# Altium PCB fmuvxX-baseT1.PcbDoc (part 4 of 5) (continued)
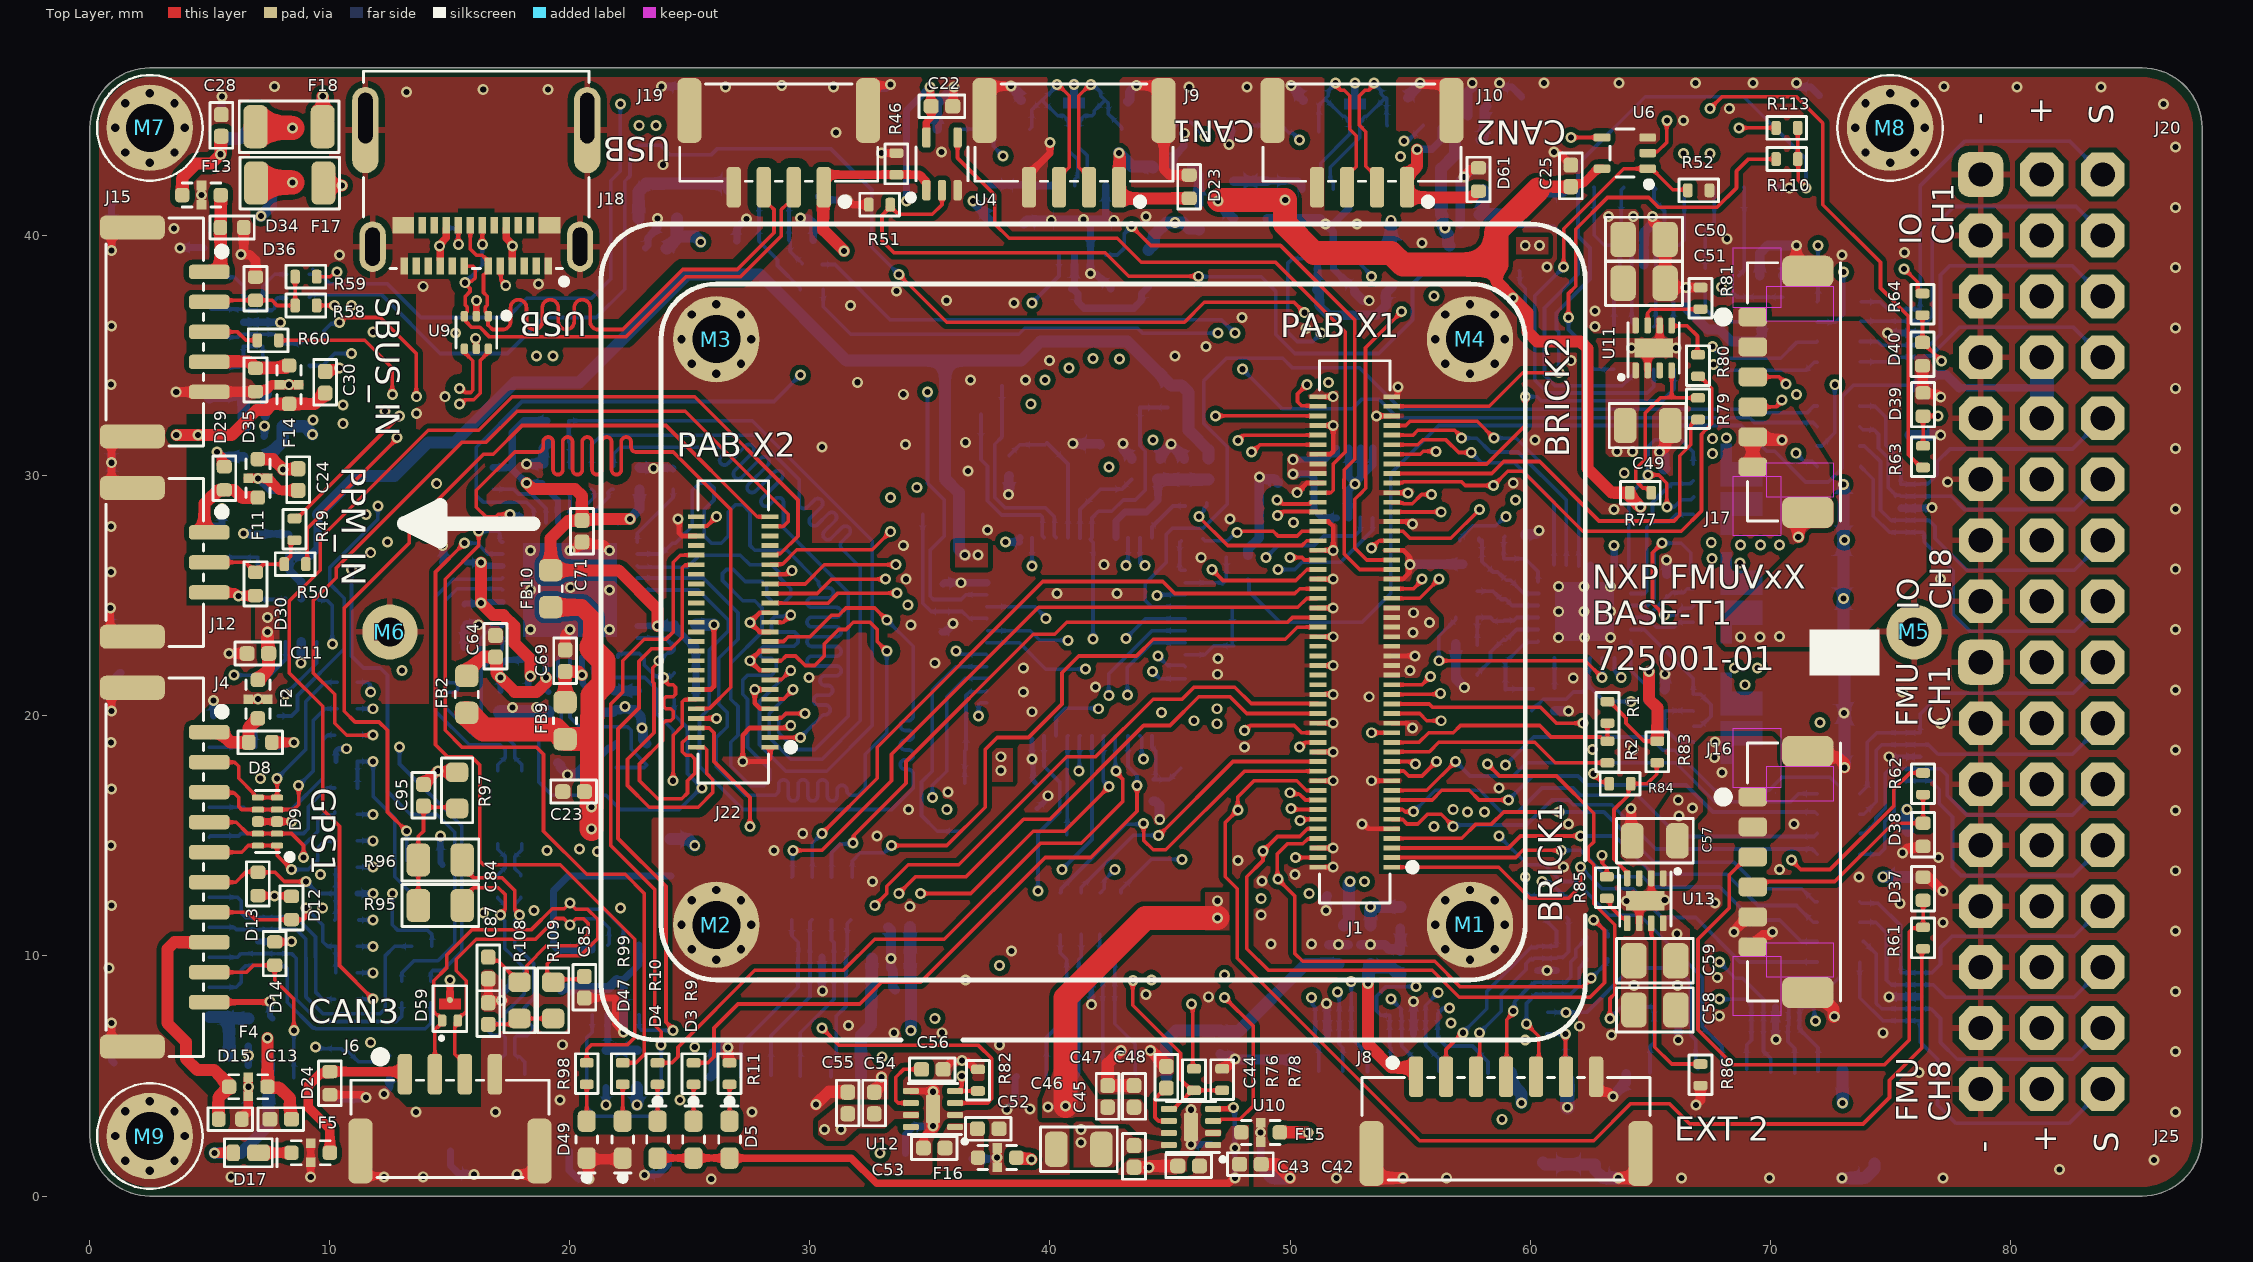
[diagram p0: Top Layer view]
## Nets (pads, with @x,y where several pads share a name; then routed paths per layer and width w, separated by ;. In a path a pad name is that pad's centre, name@x,y a point inside that pad or via, vN(x,y) a via of type N, cw(c..) or ccw(c..) an arc to the next point about the centre after c; other vN are vias at no path point) (continued)
IO_VDD_3V3_SPEKTRUM_EN: R76.2 R78.1 U1.2 U10.5 | length 28.6
  Top Layer w0.152: v1(43.45,8.975) 43.45,7.95 45.45,5.95 45.45,4.85 45.9,4.4 R76.2@46,4.4 R78.1@47.175,4.4 R78.1@47.2,4.425 ; U10.5@44.955,3.625 45.15,3.625 45.925,4.4 R76.2@45.975,4.4
  Signal Layer 4 w0.152: v1(39.25,26.25) 39.25,23 39.9,22.35 39.9,17.5 43.45,13.95 v1(43.45,8.975)
  Bottom Layer w0.152: U1.2@39.25,27.43 v1(39.25,26.25) ; v1(39.25,26.25) 39.25,26.2 39.275,26.225 v1(39.25,26.25)
IO_VDD_5V: C42.1 C43.1 D3.A D4.A D5.A F15.3 U10.1 U10.4 | length 28.4
  Top Layer w0.2: U10.4@46.795,3.625 46.806,3.636 47.637,3.636 v1(47.637,3.683)
  Top Layer w0.3: D4.A@23.67,1.58 D3.A@25.15,1.58 ; D3.A@25.152,1.578 25.155,1.58 D5.A@26.65,1.58 ; D5.A@26.675,1.575 31.725,1.575 32.769,0.531 47.446,0.531 47.67,0.755 v1@47.705,0.755
  Bottom Layer w0.2: v1(47.637,3.683) 47.7,3.683 v1(47.7,2) v1(47.7,0.75)
IO_VDD_SERVO_SENSE: R4.2 R7.1 U1.14 | length 3.1
  Bottom Layer w0.152: U1.14@45.63,25.55 47.228,25.55 47.35,25.672 R4.2@47.35,25.7 ; R4.2@47.35,25.725 47.35,26.15 ; R4.2@47.35,25.75 47.35,26.15 ; R7.1@47.35,26.55 R7.1@47.35,26.6 47.35,26.15
IO_VDDA: C1.1 C2.1 FB1.2 U1.9 | length 5.8
  Bottom Layer w0.3: U1.9@42.75,27.43 42.75,28.125 43.125,28.5 44.025,28.5 44.5,28.975 C2.1@44.5,29.85
  Bottom Layer w0.5: C2.1@44.5,29.85 C1.1@45.6,29.85 FB1.2@46.6,29.85
LT4417_HYS: R68.1 U8.24 | length 1.3
  Bottom Layer w0.152: U8.24@61.015,22.415 61.02,22.41 61.02,21.155 R68.1@61.025,21.15
MISO_EXT1: D26.4 D26.7 J11.3 R40.2 | length 10.8
  Bottom Layer w0.152: J11.3@4.975,9.95 6.15,9.95 6.3,10.1 D26.7@7,10.1 D26.4@7.7,10.1 ; D26.4@7.8,10.1 8.4,10.1 8.6,9.9 8.6,8.2 9.531,7.269 12.769,7.269 13,7.5 R40.2@13,8.05
MOSI_EXT1: D26.2 D26.9 J11.4 R41.2 | length 13.8
  Bottom Layer w0.152: J11.4@4.975,11.2 6,11.2 6.1,11.1 D26.9@7,11.1 D26.2@7.8,11.1 8.6,11.1 9,10.7 9,9.928 9.005,9.923 9.005,8.295 9.7,7.6 12.1,7.6 12.3,7.8 12.3,10 12.7,10.4 R41.2@13.35,10.4 R41.2@13.4,10.4
nARMED: J1.85 R47.2 R54.5 U6.2 | length 43.7
  Top Layer w0.152: J1.85@54.24,30.5 58.2,30.5 59.8,32.1 v1(59.8,33.3) ; U6.2@64.9,43.45 64.972,43.522 65.322,43.522 65.692,43.892 65.692,44.792 v1(65.7,44.8)
  Signal Layer 4 w0.152: v1(59.8,33.3) 56.4,33.3 55.1,34.6 55.1,36.65 55.104,36.654 55.104,37.404 60.2,42.5 60.9,42.5 63.2,44.8 v1(65.7,44.8)
  Bottom Layer w0.152: R47.2@59.55,38.55 59.575,38.525 59.575,38.025 59.8,37.8 v1(59.8,33.3) 60.3,33.3 60.475,33.125 65.5,33.125 66,33.625 66,34.43 R54.5@66.01,34.44
nARMED_AUX: D33.1 D33.10 J14.5 R54.4 | length 6.5
  Bottom Layer w0.152: R54.4@65.975,36.225 65.975,37.232 65.735,37.472 D33.1@65.735,38.809 D33.10@65.735,39.609 66.209,39.609 66.425,39.825 66.425,42.016 J14.5@66.411,42.03
NetC14_1: C14.1 FB3.2 U2.5 | length 2.9
  Bottom Layer w0.152: C14.1@38.9,42.085 C14.1@38.935,42.085
  Bottom Layer w0.3: FB3.2@37.5,42.17 37.543,42.128 38.923,42.128 38.95,42.1 38.96,42.09 40.37,42.09 U2.5@40.375,42.095
NetC17_1: C17.1 FB4.2 U2.3 | length 5.7
  Bottom Layer w0.3: C17.1@40.9,37.8 41.025,37.925 U2.3@41.025,39.205 ; C17.1@40.965,37.8 41.17,37.595 41.17,37.247 41.431,36.986 43.486,36.986 43.814,37.314 43.814,37.594 FB4.2@44.1,37.88
NetC18_1: C18.1 FB5.2 U3.5 | length 9.2
  Bottom Layer w0.3: C18.1@19.6,10.235 19.537,10.235 19.31,10.462 19.31,12.71 19.93,13.33 FB5.2@24.2,13.33 ; C18.1@19.65,10.25 20.915,10.25 20.925,10.26 U3.5@20.925,10.445
NetC19_1: C19.1 FB6.2 U3.3 | length 2.8
  Bottom Layer w0.25: C19.1@21.5,6.085 C19.1@21.507,6.078 ; C19.1@21.5,6.1 21.575,6.175 U3.3@21.575,7.555 ; FB6.2@22.792,6.078 FB6.2@22.8,6.07
  Bottom Layer w0.4: C19.1@21.507,6.078 FB6.2@22.792,6.078
NetC69_1: C69.1 C70.1 FB9.2 U14.4 | length 3.4
  Top Layer w0.5: FB9.2@19.8,20.57 C69.1@19.8,21.7 ; C69.1@19.8,21.85 19.805,21.845 20.355,21.845 v1(20.5,21.7)
  Bottom Layer w0.25: U14.4@20.5,22.44 v1(20.5,21.7) 20.5,21.644 20.54,21.604 20.54,21.334 20.773,21.1 C70.1@20.8,21.1
NetC76_1: C76.1 C77.1 U14.3 | length 2.7
  Bottom Layer w0.25: U14.3@21,22.44 21,22.34 21.007,22.333 21.007,21.796 21.578,21.225 21.625,21.225 C77.1@21.8,21.05
  Bottom Layer w0.4: C77.1@21.85,21.05 C76.1@22.8,21.05
NetC78_1: C78.1 U14.6 X2.1 | length 4.7
  Bottom Layer w0.152: U14.6@19.5,22.44 19.5,21.65 19.631,21.519 19.631,19.622 19.5,19.491 C78.1@19.5,18.95 19.55,18.9 20.525,18.9 X2.1@20.575,18.85
NetC82_1: C82.1 U14.5 X2.3 | length 8.3
  Bottom Layer w0.152: U14.5@20,22.44 20,21.628 20.002,21.625 20.002,19.948 20.4,19.55 22.4,19.55 22.55,19.4 22.55,18.61 23.2,17.96 C82.1@23.2,17.95 23.1,17.85 X2.3@21.925,17.85
NetC86_1: C86.1 R38.2 R107.2 | length 14.3
  Signal Layer 3 w0.152: v1(38.05,43.325) 38.05,43.425 39.025,44.4 44.3,44.4 44.9,43.8 46.1,43.8 v1(46.45,44.15)
  Bottom Layer w0.152: C86.1@36.2,44.45 R38.2@37.645,44.45 37.645,43.73 v1(38.05,43.325) ; R107.2@44.505,44.45 45.1,44.45 45.38,44.73 45.87,44.73 v1(46.45,44.15)
NetC87_1: C87.1 R108.2 R109.2 | length 2.8
  Top Layer w0.152: C87.1@16.6,7.15 17.655,7.15 R108.2@17.9,7.395 R109.2@19.3,7.395
NetC88_1: C88.1 FB7.2 U15.5 | length 3.1
  Bottom Layer w0.3: C88.1@49.043,42.277 C88.1@49.05,42.285 50.335,42.285 50.5,42.12 U15.5@50.5,41.94
  Bottom Layer w0.4: FB7.2@47.65,42.27 47.657,42.277 C88.1@49.043,42.277
NetC89_1: C89.1 FB8.2 U15.3 | length 5.9
  Bottom Layer w0.3: C89.1@51.15,37.85 U15.3@51.15,39.05
  Bottom Layer w0.4: C89.1@51.115,37.75 51.218,37.647 51.218,37.082 51.6,36.7 53.6,36.7 54,37.1 54,37.63 FB8.2@54.25,37.88
NetC92_1: C92.1 R111.2 R112.2 | length 8
  Signal Layer 3 w0.152: v1(50.4,44) 50.447,44 50.747,44.3 54.4,44.3 v1(54.75,43.95)
  Bottom Layer w0.152: C92.1@48.35,44.6 R111.2@49.645,44.6 49.952,44.293 50.107,44.293 v1(50.4,44) ; v1(54.75,43.95) 54.808,44.008 54.963,44.008 R112.2@55.555,44.6
NetC95_1: C95.1 R95.2 R96.2 R97.1 | length 5.6
  Top Layer w0.152: R96.2@13.6,14 13.685,13.915 R95.2@13.685,12.1 ; R96.2@13.685,14 13.685,14.985 13.9,15.2 C95.1@13.9,16.2 ; C95.1@13.9,16.25 13.952,16.198 15.298,16.198 R97.1@15.3,16.2
NetD15_2: D15.2 F4.3 J4.8 | length 10.6
  Top Layer w0.5: J4.8@4.97,10.575 3.518,10.575 3.225,10.282 3.225,7.2 4,6.425 4,5.725 4.475,5.25 5.175,5.25 5.75,4.675 5.75,4.6 F4.3@5.8,4.55 ; D15.2@5.35,3.175 5.35,4.1 F4.3@5.775,4.525
NetD16_C: D16.C F8.1 | length 1.6
  Bottom Layer w0.4: F8.1@45.9,42.85 46.2,42.55 D16.C@46.2,41.325
NetD17_C: D17.C F5.1 | length 1.4
  Top Layer w0.4: D17.C@7.025,1.8 F5.1@8.4,1.8
NetD37_2: D37.2 J16.3 R61.1 | length 24.3
  Top Layer w0.152: J16.3@69.278,14.125 69.05,14.125 68.3,13.375 68.3,12 67,10.7 67,6.925 68.45,5.475 74.775,5.475 75.8,6.5 75.8,11 75.963,11.163 76.338,11.163 R61.1@76.35,11.175 ; R61.1@76.375,11.225 D37.2@76.375,12.315
NetD38_2: D38.2 J16.4 R62.1 | length 9.4
  Top Layer w0.152: J16.4@69.278,12.875 69.503,13.1 72.7,13.1 75.135,15.535 D38.2@76.365,15.535 ; D38.2@76.375,15.535 76.375,16.675 R62.1@76.4,16.7
NetD39_2: D39.2 J17.3 R63.1 | length 10.6
  Top Layer w0.152: J17.3@69.278,34.125 69.5,34.125 70.378,34.125 v1(70.669,33.834) ; R63.1@76.375,31.3 D39.2@76.375,32.475 ; D39.2@76.375,32.49 76.38,32.495 76.995,32.495 v1(77,32.5)
  Signal Layer 4 w0.152: v1(70.669,33.834) 71.135,34.3 73.8,34.3 75.6,32.5 v1(77,32.5)
NetD40_2: D40.2 J17.4 R64.1 | length 12
  Top Layer w0.152: J17.4@69.278,32.875 70.261,32.875 70.488,33.101 v1(70.488,33.164) ; R64.1@76.35,36.7 D40.2@76.35,35.56 76.365,35.56 77.131,34.794 v1(77.137,34.794)
  Signal Layer 4 w0.152: v1(70.488,33.164) 70.484,33.16 70.175,33.469 70.175,34.137 70.839,34.802 77.129,34.802 v1(77.137,34.794)
NetD41_A: D41.A F17.2 | length 1.6
  Top Layer w0.5: F17.2@9.725,42.15 9.775,42.1 v1(10.5,42.1)
  Bottom Layer w0.4: D41.A@9.84,42.35 9.88,42.31 10.06,42.31 10.259,42.111 10.489,42.111 v1(10.5,42.1)
NetD42_A: D42.A F18.2 | length 2.5
  Top Layer w0.5: v1@9.7,45.825 9.7,44.625 F18.2@9.725,44.6
  Bottom Layer w0.5: D42.A@9.7,44.56 v1@9.7,45.825
  other v1: 9.704,45.82
NetD47_A: D47.A R99.2 | length 1.6
  Top Layer w0.152: D47.A@22.2,3.1 R99.2@22.2,4.65
NetD49_A: D49.A R98.2 | length 1.6
  Top Layer w0.152: D49.A@20.7,3.1 R98.2@20.7,4.65
NetD55_2: D55.2 F21.3 J24.1 | length 5.3
  Bottom Layer w0.5: F21.3@22.857,40.727 22.857,41.857 23.175,42.175 26.575,42.175 26.625,42.125 J24.1@26.625,41.925
NetD56_2: D56.2 J24.2 R104.2 | length 4.9
  Bottom Layer w0.152: D56.2@27.875,39.8 J24.2@27.875,41.925 ; D56.2@27.887,39.763 D56.2@27.887,39.77 ; D56.2@27.887,39.77 D56.2@28.086,39.57 ; D56.2@28.086,39.57 28.65,39.006 28.65,38.77 29.6,37.82 R104.2@29.6,37.75
NetD57_2: D57.2 J24.3 R105.2 | length 3.3
  Bottom Layer w0.152: J24.3@29.125,41.925 29.125,39.825 D57.2@29.163,39.787 ; D57.2@29.163,39.806 D57.2@29.163,39.787 ; R105.2@29.675,38.85 29.675,38.856 29.512,39.02 29.505,39.02 29.174,39.351 29.174,39.776 D57.2@29.163,39.787
NetD60_C: D60.C F9.1 | length 1.5
  Bottom Layer w0.4: D60.C@57.925,44 57.95,44 58.1,44.15 58.1,45.3 F9.1@58.2,45.4
NetJ18_A5: J18.A5 J18.B5 R75.1 | length 5.6
  Top Layer w0.152: v1(15.35,39.65) J18.B5@15.35,40.325 ; J18.A5@17.125,38.975 17.125,38.169 17.326,37.968 v1(17.326,37.927)
  Signal Layer 3 w0.152: v1(15.35,39.65) 16.075,38.925 16.328,38.925 v1(17.326,37.927)
  Bottom Layer w0.152: R75.1@14.8,40.325 15.15,40.325 15.325,40.15 15.325,39.675 v1(15.35,39.65)
NetR48_1: R48.1 U14.24 | length 1.6
  Bottom Layer w0.152: U14.24@20.5,28.1 20.513,28.113 20.513,28.613 21.011,29.111 21.011,29.339 R48.1@20.9,29.45
NetR53_1: R53.1 U7.4 | length 1.2
  Bottom Layer w0.152: R53.1@7,24.85 8.09,24.85 U7.4@8.15,24.91
NetR77_2: R77.2 R79.1 U11.4 | length 7.5
  Top Layer w0.152: R77.2@65.05,29.3 65.05,29.377 64.928,29.499 64.701,29.499 64.576,29.624 64.576,29.625 64.4,29.801 64.4,30.3 64.8,30.7 64.8,32.625 65.425,33.25 65.9,33.25 ; U11.4@65.9,34.398 65.9,33.25 ; R79.1@67,33.25 65.9,33.25
NetR80_1: R80.1 U11.5 | length 2.1
  Top Layer w0.152: U11.5@65.9,36.27 65.92,36.25 66.55,36.25 66.975,35.825 R80.1@66.975,35.025 ; R80.1@66.96,35 R80.1@67,35
NetR83_2: R83.2 R84.1 U13.4 | length 6.2
  Top Layer w0.152: U13.4@64.05,13.235 64.05,13.475 63.5,14.025 63.5,16.1 64.1,16.7 64.1,17.075 R84.1@64.2,17.175 64.875,17.175 65.275,17.575 R83.2@65.275,18.075
NetR85_1: R85.1 U13.5 | length 1.5
  Top Layer w0.152: R85.1@63.2,12.4 63.331,12.269 63.331,12.084 63.83,11.585 63.979,11.585 64.05,11.514 U13.5@64.05,11.365
NetR94_1: R94.1 U14.11 | length 2.7
  Bottom Layer w0.152: R94.1@15.6,21.95 15.69,21.95 16.24,22.5 16.24,23.196 16.737,23.694 17.134,23.694 U14.11@17.19,23.75
NetR98_1: R98.1 U14.17 | length 31.5
  Top Layer w0.152: v1(15.6,27.2) 14.4,26 14.4,18.8 14.9,18.3 15.9,18.3 16.236,17.964 16.236,13.964 16.4,13.8 19.6,13.8 22.7,10.7 22.7,6.6 22.4,6.3 20.9,6.3 20.7,6.1 R98.1@20.7,5.55
  Bottom Layer w0.152: v1(15.6,27.2) 16.139,27.2 16.589,26.75 U14.17@17.19,26.75
NetR99_1: R99.1 U14.18 | length 31
  Top Layer w0.152: v1(16.2,27.7) 16.2,27.1 14.8,25.7 14.8,19.4 15.498,18.702 18.598,18.702 18.9,18.4 18.9,15.2 20.7,13.4 22.3,13.4 23.1,12.6 23.1,5.9 22.75,5.55 R99.1@22.2,5.55
  Bottom Layer w0.152: v1(16.2,27.7) 16.989,27.7 17.079,27.611 17.079,27.306 17.134,27.25 U14.18@17.19,27.25
NetR100_1: R100.1 U14.28 | length 2.8
  Bottom Layer w0.152: U14.28@22.81,27.25 22.81,27.61 24.3,29.1 R100.1@24.3,29.45
NetR101_1: R101.1 U14.23 | length 1.4
  Bottom Layer w0.152: U14.23@20,28.06 R101.1@20,29.45
NetR103_1: R103.1 U14.25 | length 1.7
  Bottom Layer w0.152: U14.25@21,28.1 21.056,28.156 21.056,28.556 21.601,29.101 21.601,29.328 21.723,29.45 R103.1@21.8,29.45
NFC_GPIO: D54.4 D54.7 J22.48 J23.7 R36.1 | length 70.1
  Top Layer w0.152: J22.48@25.26,27.9 25.274,27.914 25.714,27.914 v1(26.1,28.3)
  Signal Layer 3 w0.152: v1@32.864,5.664 v1(33,5.8) 35.2,5.8 36.2,6.8 50.711,6.8 51.711,5.8 60.3,5.8 60.8,6.3 60.8,6.95 v1(61.5,7.65)
  Signal Layer 4 w0.152: v1(26.1,28.3) 26.1,26 24.9,24.8 24.9,16.1 28.8,12.2 28.8,7.5 30,6.3 32.5,6.3 v1(33,5.8)
  Bottom Layer w0.152: R36.1@60.75,7.65 61.45,7.65 v1@61.5,7.6 ; v1(61.5,7.65) 62.35,7.65 64.2,9.5 66.1,9.5 66.675,8.925 D54.4@66.675,7.925 ; D54.7@66.675,7.075 66.724,7.026 66.724,6.676 66.9,6.5 66.9,5.4 J23.7@67,5.3 ; D54.4@66.675,7.875 66.675,7.125 D54.7@66.7,7.1
NFC_GPIO_EXT2: D22.2 J8.6 R36.2 | length 3.6
  Top Layer w0.152: v1(61.475,6.75) 61.475,4.995 J8.6@61.5,4.97 J8.6@61.5,4.95
  Bottom Layer w0.152: R36.2@60.7,6.75 61.5,6.75 v1(61.475,6.75) 61.475,5.9 61.5,5.875 D22.2@61.55,5.825
NIO_LED_AMBER: R10.2 U1.28 | length 27
  Top Layer w0.152: R10.2@23.65,5.55 24.25,5.55 24.5,5.8 24.5,6.2 27.7,9.4 31.4,9.4 32.7,10.7 35.6,10.7 39.6,14.7 41.3,14.7 43.025,16.425 43.025,17.375 v1@42.7,17.7
  Bottom Layer w0.152: v1(42.75,17.7) 42.725,17.725 42.725,19.145 U1.28@42.75,19.17
NIO_LED_BLUE: R9.2 U1.27 | length 26.8
  Top Layer w0.152: R9.2@25.15,5.55 25.75,5.55 26,5.8 26,7 27,8 32.071,8 32.971,8.9 34.6,8.9 39.8,14.1 41.7,14.1 43.627,16.027 v1(43.627,17.101)
  Bottom Layer w0.152: U1.27@43.25,19.17 43.25,17.9 43.627,17.523 v1(43.627,17.101)
NIO_VDD_SERVO_IN_FAULT: R3.2 TP3.1 U1.38 | length 4.6
  Bottom Layer w0.152: R3.2@36.45,17.2 36.45,18.55 36.5,18.6 36.5,20.85 36.659,21.009 37.329,21.009 U1.38@37.37,21.05
NPOWER_IN_A: J1.89 U8.7 | length 10.5
  Top Layer w0.152: J1.89@54.24,31.3 55.325,31.3 55.525,31.5 56.5,31.5 57.025,30.975 v1(57.55,30.975)
  Bottom Layer w0.152: v1(57.55,30.975) 57.975,30.55 59.35,30.55 61,28.9 U8.7@61,26.3
NPOWER_IN_B: J1.91 U8.8 | length 11.3
  Top Layer w0.152: J1.91@54.24,31.7 55.125,31.7 55.325,31.9 56.868,31.9 57.15,31.618 v1(57.15,31.575)
  Bottom Layer w0.152: v1(57.15,31.575) 57.775,31.575 58.35,31 59.5,31 61.515,28.985 U8.8@61.515,26.285
NPOWER_IN_C: J1.93 U8.9 | length 11.9
  Top Layer w0.152: J1.93@54.24,32.1 54.825,32.1 55,32.275 57.8,32.275 v1(58.5,31.575)
  Bottom Layer w0.152: v1(58.5,31.575) 59.425,31.575 62.025,28.975 U8.9@62.025,26.25
NSBUS_OUTPUT_EN: TP5.1 U1.40 | length 10
  Bottom Layer w0.152: TP5.1@36.3,15.2 35.3,15.2 34.645,15.855 34.645,17.245 35.1,17.7 35.1,21.078 36.072,22.05 U1.40@37.37,22.05
nSYNC_EXT1: D27.4 D27.7 J11.7 R44.2 | length 6.6
  Bottom Layer w0.152: J11.7@4.975,14.95 5.025,15 6.2,15 6.3,15.1 D27.7@7,15.1 D27.4@7.8,15.1 8.9,15.1 9.1,15.3 9.1,16.218 9.7,16.818 9.882,17 R44.2@10.2,17
OV1: R69.2 R72.1 U8.2 | length 3.6
  Bottom Layer w0.152: R72.1@57.8,21.7 57.8,21.75 58.35,22.3 58.35,22.65 R69.2@58.9,23.2 ; R69.2@58.9,23.15 58.99,23.15 59.44,23.6 U8.2@60.33,23.6
OV2: R70.2 R73.1 U8.4 | length 2.8
  Bottom Layer w0.152: R73.1@57.8,25.2 58.46,25.2 58.81,24.85 R70.2@58.9,24.85 ; R70.2@58.875,24.875 58.981,24.875 59.256,24.6 U8.4@60.33,24.6
OV3: R71.2 R74.1 U8.6 | length 2.9
  Bottom Layer w0.152: R74.1@58.9,27.35 58.9,26.55 59.8,26.55 60.33,26.02 U8.6@60.33,25.6 ; R74.1@58.9,27.45 58.925,27.45 R74.1@58.95,27.475
PERIPH_ILIM: R86.1 U13.7 | length 7.4
  Top Layer w0.152: U13.7@65.05,11.365 65.05,10.85 65.2,10.7 65.2,6.2 65.9,5.5 R86.1@67.1,5.5
PPM_5V_FLT: D29.2 F11.3 J12.1 | length 4
  Top Layer w0.5: J12.1@4.97,27.65 4.82,27.65 4.77,27.7 4.77,28.845 5.31,29.385 5.57,29.385 D29.2@5.6,29.415 6.01,29.415 6.325,29.1 F11.3@7,29.1
PPM_RC_IN: D30.2 J12.2 R49.2 R50.2 | length 4.6
  Top Layer w0.152: J12.2@4.975,26.4 6.485,26.4 6.661,26.224 D30.2@6.9,25.985 ; D30.2@6.9,25.985 7.139,26.223 7.24,26.325 R50.2@8.1,26.325 8.1,26.402 8.375,26.677 8.375,27.203 8.497,27.325 R49.2@8.525,27.325
RSSI_IN_PROT: J15.3 R60.2 | length 2.2
  Top Layer w0.152: J15.3@4.95,36 6.15,36 6.5,35.65 R60.2@6.975,35.65
RTS_TELEM1: D7.1 D7.10 J3.5 R15.4 | length 6.4
  Bottom Layer w0.152: J3.5@39.85,4.925 39.85,6.6 40.7,7.45 D7.1@40.7,9.325 40.7,9.85 40.425,10.125 R15.4@40.425,10.875
RTS_TELEM2: D11.1 D11.10 J5.5 R24.4 | length 7.6
  Bottom Layer w0.152: J5.5@27.125,4.975 27.125,6.325 29.5,8.7 D11.10@29.5,9.15 D11.1@29.5,9.95 ; R24.4@29.24,11.515 29.24,10.86 ; 29.25,10.85 29.24,10.86 ; D11.1@29.513,10.005 29.513,10.573 29.24,10.846 29.24,10.86
RX_DEBUG_CATHODE: D52.C D53.4 D53.7 J23.3 | length 17.7
  Bottom Layer w0.152: D52.C@69.508,16.905 69.955,16.905 70.5,17.45 72.5,17.45 72.9,17.05 72.9,9.125 ; D53.7@70.725,7.075 70.775,7.125 D53.4@70.775,7.9 ; D53.4@70.725,7.875 70.725,8.575 70.95,8.8 72.575,8.8 72.9,9.125 ; D53.7@70.75,7.05 70.75,6.425 71.025,6.15 J23.3@71.025,5.125 ; 72.925,9.15 72.9,9.125
RX_EXT2: D21.2 D21.9 J8.3 R33.2 | length 9
  Top Layer w0.152: J8.3@57.75,4.97 57.9,5.12 v1(57.9,6.8)
  Bottom Layer w0.152: v1(57.9,6.8) 58.8,7.7 58.8,8.4 59.829,9.429 59.829,9.679 60.001,9.851 60.131,9.851 60.18,9.9 D21.9@60.3,9.9 ; D21.9@60.305,9.9 61.1,9.9 61.149,9.949 61.374,9.949 61.6,10.175 61.6,11.525 R33.2@61.525,11.6
RX_GPS1: D9.4 D9.7 J4.3 R17.2 | length 9.3
  Top Layer w0.152: J4.3@4.97,16.825 4.995,16.8 6,16.8 6.209,16.591 6.209,16.213 6.322,16.1 6.6,16.1 D9.4@7.8,16.1 8.5,16.1 8.7,16.3 v1(8.7,17.1)
  Bottom Layer w0.152: v1(8.7,17.1) 9.3,17.7 9.3,19.8 9.8,20.3 R17.2@10.25,20.3 R17.2@10.3,20.3
RX_GPS2: D19.4 D19.7 J7.3 R29.2 | length 4
  Bottom Layer w0.152: J7.3@4.975,35.775 6.15,35.775 6.275,35.9 D19.7@6.3,35.9 ; D19.7@6.4,35.9 D19.4@7.2,35.9 7.7,35.9 8.1,35.5 8.75,35.5 R29.2@8.85,35.6
RX_SBUS_INPUT_PROT: D36.2 J15.2 R58.2 R59.2 | length 5
  Top Layer w0.152: J15.2@4.975,37.3 4.99,37.315 D36.2@6.9,37.315 ; D36.2@6.875,37.25 6.85,37.25 D36.2@6.915,37.315 ; D36.2@6.925,37.325 D36.2@6.915,37.315 ; R59.2@8.55,38.3 R58.2@8.55,37.1 7.8,37.1 7.585,37.315 D36.2@6.915,37.315
RX_TELEM1: D7.4 D7.7 J3.3 R15.2 | length 6
  Bottom Layer w0.152: R15.2@42.075,10.9 42.075,9.925 42.2,9.8 D7.4@42.2,9.325 D7.7@42.2,8.525 42.2,5.125 J3.3@42.325,5
RX_TELEM2: D11.4 D11.7 J5.3 R24.2 | length 7.1
  Bottom Layer w0.152: J5.3@29.6,5 29.6,6.8 31,8.2 D11.7@31,9.15 D11.4@31,9.95 ; R24.2@30.9,11.515 30.9,10.661 31,10.561 D11.4@31,10
RXD2/CONFIG3: R91.1 U14.21 | length 3.1
  Bottom Layer w0.152: R91.1@16.8,29.45 17.65,29.45 17.855,29.245 18.402,29.245 19,28.648 U14.21@19,28.06
SAFETY_SW: D13.2 J4.6 R20.2 R21.2 R25.1 | length 8
  Top Layer w0.152: J4.6@4.97,13.075 6.075,13.075 6.5,13.5 D13.2@7,13.5 ; D13.2@7,13.485 7.715,13.485 8.1,13.1 v1(9,13.1)
  Bottom Layer w0.152: v1(9,13.1) 9.5,12.6 R25.1@10.2,12.6 ; R21.2@10.2,11.5 10.25,11.55 R25.1@10.25,12.6 R20.2@10.25,13.7
SAFETY_SW_LED: D12.2 J4.7 R22.2 R23.2 | length 8
  Top Layer w0.152: J4.7@4.97,11.825 6.575,11.825 6.885,11.515 D12.2@8.4,11.515 8.915,11.515 9,11.6 v1(9,12)
  Bottom Layer w0.152: v1(9,12) 9.705,11.295 9.705,10.595 9.9,10.4 R23.2@10.25,10.4 R22.2@10.25,9.3
SBUS_5V_FLT: D34.2 F13.3 J15.1 | length 3.7
  Top Layer w0.5: J15.1@4.97,38.5 5.4,38.5 5.45,38.55 D34.2@5.45,40.375 ; D34.2@5.425,40.35 D34.2@5.45,40.375 ; F13.3@5.45,41.7 D34.2@5.45,40.375
SBUS_OUTPUT_PROT: D32.2 J13.2 R53.2 | length 2.9
  Bottom Layer w0.152: J13.2@4.97,26.6 4.977,26.607 6.993,26.607 D32.2@7,26.6 ; R53.2@6.9,25.8 6.928,25.8 7,25.872 D32.2@7,26.6 ; D32.2@7,26.615 D32.2@7,26.6
SCK_EXT1: D26.5 D26.6 J11.2 R39.2 | length 12.8
  Bottom Layer w0.152: J11.2@4.975,8.7 6.1,8.7 6.3,8.9 6.3,9.4 6.5,9.6 D26.6@7,9.6 D26.5@7.8,9.6 7.827,9.573 8.137,9.573 8.227,9.484 8.227,8.073 9.3,7 9.372,7 9.405,6.967 13.967,6.967 14.2,7.2 R39.2@14.2,8.05
SCL_EXT2: D21.4 D21.7 J8.4 R34.2 | length 7.9
  Top Layer w0.152: J8.4@59,5.025 59.025,5.05 59.025,7.343 59.3,7.618 v1(59.3,7.7)
  Bottom Layer w0.152: v1(59.3,7.7) 59.358,7.758 59.358,8.108 60.002,8.751 60.031,8.751 60.18,8.9 D21.7@60.3,8.9 ; D21.7@60.305,8.9 D21.4@61.105,8.9 61.125,8.9 61.475,8.9 61.7,9.125 61.7,9.75 61.905,9.955 61.905,10.28 62.35,10.725 R34.2@62.35,10.8
SCL_GPS1: D9.2 D9.9 J4.4 R18.2 | length 7.5
  Top Layer w0.152: J4.4@4.97,15.575 6.093,15.575 6.565,15.103 D9.9@6.997,15.103 ; D9.9@7,15.1 D9.2@7.8,15.1 8.4,15.1 8.9,14.6 v1(8.9,14.1)
  Bottom Layer w0.152: v1(8.9,14.1) 8.9,14.6 9.5,15.2 9.5,15.65 9.727,15.877 10.128,15.877 10.2,15.949 R18.2@10.2,16
SCL_GPS2: D19.2 D19.9 J7.4 R30.2 | length 3.7
  Bottom Layer w0.152: J7.4@4.975,37.025 5.051,36.949 6.351,36.949 D19.9@6.4,36.9 D19.2@7.2,36.9 7.6,36.9 7.7,37 7.7,37.3 7.821,37.421 8.179,37.421 R30.2@8.2,37.4
SDA_EXT2: D21.5 D21.6 J8.5 R35.2 | length 7
  Top Layer w0.152: v1(59.85,7.175) 60.368,6.657 60.368,5.168 60.25,5.05 J8.5@60.25,4.97
  Bottom Layer w0.152: v1(59.85,7.175) 59.85,8.025 60.25,8.425 D21.6@60.275,8.425 ; D21.6@60.305,8.4 D21.5@61.075,8.4 ; D21.5@61.1,8.4 61.675,8.4 62.05,8.775 62.05,9.498 62.35,9.798 R35.2@62.35,9.875
SDA_GPS1: D9.1 D9.10 J4.5 R19.2 | length 6.8
  Top Layer w0.152: J4.5@4.97,14.325 6.325,14.325 6.6,14.6 D9.10@7,14.6 D9.1@7.8,14.6 7.8,14.2 v1(8.4,13.6)
  Bottom Layer w0.152: v1(8.4,13.6) 9.1,13.6 9.5,14 9.5,14.5 9.8,14.8 R19.2@10.25,14.8
SDA_GPS2: D19.1 D19.10 J7.5 R31.2 | length 4.6
  Bottom Layer w0.152: J7.5@4.975,38.275 6.025,38.275 6.4,37.9 D19.10@6.4,37.4 D19.1@7.2,37.4 7.2,37.9 7.7,38.4 R31.2@8.2,38.4
SPI4_DRDY1_EXTERNAL1: J22.47 R106.1 | length 34.2
  Top Layer w0.152: v1(11.8,19.2) 10.7,19.2 10.2,19.7 10.2,20.9 9.3,21.8 9.3,24.8 10.263,25.763 10.263,26.163 15.5,31.4 16.5,31.4 17.8,32.7 24.8,32.7 29.1,28.4 29.1,28.1 28.9,27.9 J22.47@28.34,27.9
  Bottom Layer w0.152: R106.1@11.15,19.2 v1(11.8,19.2)
SPI4_MISO_EXTERNAL1: J22.31 R40.1 | length 51
  Top Layer w0.152: J22.31@28.34,24.7 30.75,24.7 31.168,25.118 33.618,25.118 v1(33.625,25.125)
  Signal Layer 3 w0.152: v1(10.9,26.1) 12,26.1 12.8,25.3 16.5,25.3 17.5,24.3 25.3,24.3 26.4,25.4 28.5,25.4 28.775,25.125 v1(33.625,25.125)
  Bottom Layer w0.152: v1(10.9,26.1) 10.9,22.5 11.4,22 12.1,22 12.4,21.7 12.4,16.85 13.35,15.9 14.45,15.9 15.198,15.152 15.198,10.498 14.5,9.8 13.5,9.8 13,9.3 R40.1@13,8.95
SPI4_MOSI_EXTERNAL1: J22.33 R41.1 | length 45.4
  Top Layer w0.152: J22.33@28.34,25.1 30.3,25.1 30.9,25.7 v1(33.15,25.7)
  Signal Layer 3 w0.152: v1(14,27.6) 14,26.6 14.7,25.9 27.85,25.9 28.659,26.709 32.141,26.709 v1(33.15,25.7)
  Signal Layer 4 w0.152: v1(12.6,12.6) 12.657,12.657 12.657,13.057 14,14.4 v1(14,27.6)
  Bottom Layer w0.152: v1(12.6,12.6) 12.6,11.3 12.835,11.065 14.082,11.065 14.25,10.897 R41.1@14.25,10.4
SPI4_nCS1_EXTERNAL1: J22.41 R42.1 | length 49
  Top Layer w0.152: v1(11.8,8.2) 10.4,9.6 10.4,15.4 9.7,16.1 9.7,20.4 8.3,21.8 8.3,24.775 9.6,26.075 9.6,27.399 14.101,31.9 16.2,31.9 17.6,33.3 25.2,33.3 29.5,29 29.5,27.49 28.784,26.774 28.664,26.774 28.594,26.704 J22.41@28.344,26.704
  Bottom Layer w0.152: R42.1@11.15,8.2 v1(11.8,8.2)
SPI4_nRESET_EXTERNAL1: J22.39 R45.1 | length 39.7
  Top Layer w0.152: J22.39@28.34,26.3 28.364,26.324 28.851,26.324 29.453,26.925 32.6,26.925 v1(33.35,27.675)
  Signal Layer 3 w0.152: v1(12,28.75) 12.438,29.188 12.45,29.2 16,29.2 17.5,27.7 21.8,27.7 22.6,26.9 26.375,26.9 27.15,27.675 v1(33.35,27.675)
  Bottom Layer w0.152: R45.1@7.85,20 8.4,20 8.65,20.25 8.65,20.85 10.598,22.798 10.598,24.902 10,25.5 10,26.2 12,28.2 v1(12,28.75)
SPI4_SCK_EXTERNAL1: D54.5 D54.6 J22.35 J23.6 R39.1 | length 108.9
  Top Layer w0.152: J22.35@28.34,25.5 29.8,25.5 30.6,26.3 v1(33.575,26.3)
  Signal Layer 3 w0.152: v1(12.4,27.25) 13.475,28.325 16.282,28.325 18.207,26.4 27.075,26.4 27.875,27.2 32.65,27.2 33.55,26.3 35.9,26.3 36.1,26.1 36.8,26.1 37.3,25.6 47.3,25.6 48.9,27.2 51.1,27.2 51.6,27.7 53.8,27.7 54.2,27.3 57.5,27.3 58.5,28.3 58.5,28.6 58.9,29 v1(59.4,29)
  Signal Layer 4 w0.152: v1(12.4,27.25) 12.4,26.475 10.675,24.75 10.675,19.525 11.5,18.7 v1(12.9,18.7) ; v1(58.7,15) 59.574,15.874 59.574,22.359 59.455,22.478 59.455,28.945 v1(59.4,29)
  Bottom Layer w0.152: v1(12.9,18.7) 12.9,18 15.5,15.4 15.5,10.2 14.698,9.398 14.298,9.398 14.2,9.3 R39.1@14.2,8.95 ; v1(58.7,15) 59.9,13.8 60.6,13.8 61.3,13.1 61.9,13.1 63.3,11.7 64.575,11.7 67.175,9.1 D54.5@67.175,7.85 ; D54.5@67.175,7.875 D54.6@67.175,7.075 67.175,7.05 68,6.225 J23.6@68,5.197
SPI6_nSYNC_EXT1: Q2.D R43.2 R44.1 | length 9.1
  Bottom Layer w0.152: R44.1@11.15,17 R43.2@11.15,18.1 v1(11.8,18.1) 11.8,16.65 12.7,15.75 12.7,13.3 13.3,12.7 13.3,12.1 13.44,11.96 Q2.D@14,11.96
SPI_5V_FLT: D25.2 F10.3 J11.1 | length 3.2
  Bottom Layer w0.5: J11.1@4.975,7.45 J11.1@5.8,7.45 ; F10.3@5.8,5.85 5.8,7.4 D25.2@6.615,7.4
SPI_nRST: D28.2 J11.10 R45.2 | length 3.2
  Bottom Layer w0.152: J11.10@4.975,18.7 D28.2@6.9,18.7 ; R45.2@6.9,20 6.915,19.985 D28.2@6.915,18.7
SPIX_SYNC: J22.49 Q2.G | length 35.2
  Top Layer w0.152: v1(13.2,15.2) 12.4,16 12.4,19.4 12.05,19.75 11.05,19.75 10.6,20.2 10.6,24.5 13.3,27.2 13.3,27.8 16.4,30.9 16.8,30.9 18,32.1 24,32.1 27.8,28.3 J22.49@28.34,28.3
  Bottom Layer w0.152: v1(13.2,15.2) 13.2,14.468 13.209,14.459 13.209,13.981 Q2.G@13.35,13.84
SPKT_3V3_FLT: D35.2 F14.3 J15.4 | length 3.6
  Top Layer w0.5: J15.4@4.975,34.775 6.61,34.775 D35.2@6.9,34.485 6.915,34.5 8.175,34.5 F14.3@8.225,34.55 ; F14.3@8.3,34.6 8.25,34.55 F14.3@8.225,34.55 ; F14.3@8.3,34.625 F14.3@8.225,34.55
T1_5V_FLT: D6.2 F1.3 J3.1 | length 10
  Bottom Layer w0.5: J3.1@44.85,4.975 44.85,6.492 45.243,6.885 D6.2@47.1,6.885 47.13,6.855 47.855,6.855 50.675,9.675 F1.3@52.025,9.675
T2_5V_FLT: D10.2 F3.3 J5.1 | length 5.1
  Bottom Layer w0.5: J5.1@32.125,4.975 32.125,6.7 32.55,7.125 32.55,8.585 D10.2@32.565,8.6 ; D10.2@32.575,8.625 F3.3@32.575,9.9
TRX_FL_N: C94.1 F19.4 | length 1.6
  Bottom Layer w0.147: C94.1@17,13.35 17,13.371 17.306,13.678 17.306,14.137 17,14.444 F19.4@17,14.675
TRX_FL_P: C93.1 F19.3 | length 1.5
  Bottom Layer w0.147: C93.1@17.95,13.35 17.95,13.401 17.708,13.643 17.708,14.137 18,14.43 F19.3@18,14.675
TRX_N: F19.1 U14.15 | length 12.4
  Bottom Layer w0.147: F19.1@17,17.725 17,17.963 17.299,18.263 17.299,18.6 17.101,18.799 15.801,18.799 14.4,20.2 14.4,21.6 14.4,24.968 15.133,25.701 17.141,25.701 U14.15@17.19,25.75
TRX_P: F19.2 U14.14 | length 12.5
  Bottom Layer w0.147: U14.14@17.19,25.25 17.141,25.299 15.299,25.299 14.801,24.801 14.801,21.891 14.801,21.591 ccw(c15.002,21.591) 15.002,21.391 15.132,21.391 cw(c15.132,21.19) 15.132,20.989 15.002,20.989 ccw(c15.002,20.789) 14.801,20.789 14.801,20.366 14.854,20.314 15.968,19.2 17.267,19.2 17.701,18.767 17.701,18.263 18,17.963 F19.2@18,17.725
TX_EXT2: D21.1 D21.10 J8.2 R32.2 | length 9.3
  Top Layer w0.152: J8.2@56.5,4.97 56.5,6.1 v1(57.2,6.8)
  Bottom Layer w0.152: v1(57.2,6.8) 58.198,7.798 58.198,8.523 60.026,10.351 60.276,10.351 D21.10@60.3,10.375 ; D21.10@60.305,10.4 61.1,10.4 61.1,11.05 R32.2@60.55,11.6
TX_GPS1: D9.5 D9.6 J4.2 R16.2 | length 9.9
  Top Layer w0.152: J4.2@4.97,18.075 6.025,18.075 6.2,17.9 6.2,17.4 6.826,16.774 6.826,16.649 6.875,16.6 D9.5@7.8,16.6 v1(7.8,17.4)
  Bottom Layer w0.152: v1(7.8,17.4) 8.998,18.598 8.998,20.598 9.8,21.4 R16.2@10.25,21.4 R16.2@10.3,21.4
TX_GPS2: D19.5 D19.6 J7.2 R28.2 | length 4.6
  Bottom Layer w0.152: J7.2@4.975,34.525 6.211,34.525 6.4,34.714 D19.6@6.4,35.4 D19.5@7.2,35.4 7.2,35 7.6,34.6 R28.2@8.2,34.6
TX_TELEM1: D7.5 D7.6 J3.2 R15.1 | length 6.3
  Bottom Layer w0.152: R15.1@42.96,10.865 42.95,10.855 42.95,10.05 42.7,9.8 D7.5@42.7,9.325 D7.6@42.7,8.525 42.7,7.175 43.55,6.325 43.55,5.1 J3.2@43.6,5.05
TX_TELEM2: D11.5 D11.6 J5.2 R24.1 | length 6.9
  Bottom Layer w0.152: J5.2@30.875,4.975 30.875,5.565 31.1,5.79 31.1,7.5 31.5,7.9 D11.6@31.5,9.15 D11.5@31.5,9.95 31.549,9.999 31.549,11.349 R24.1@31.7,11.5
UART3_GPIO_CTS_TELEM1: J1.24 R15.6 | length 12.2
  Top Layer w0.152: v1(44.525,15.027) 44.552,15.027 47.625,18.1 J1.24@51.15,18.1
  Bottom Layer w0.152: R15.6@41.3,12.635 41.3,12.85 43.475,15.025 44.523,15.025 v1(44.525,15.027)